# Allegro board LAY-95869_A.brd (continued)
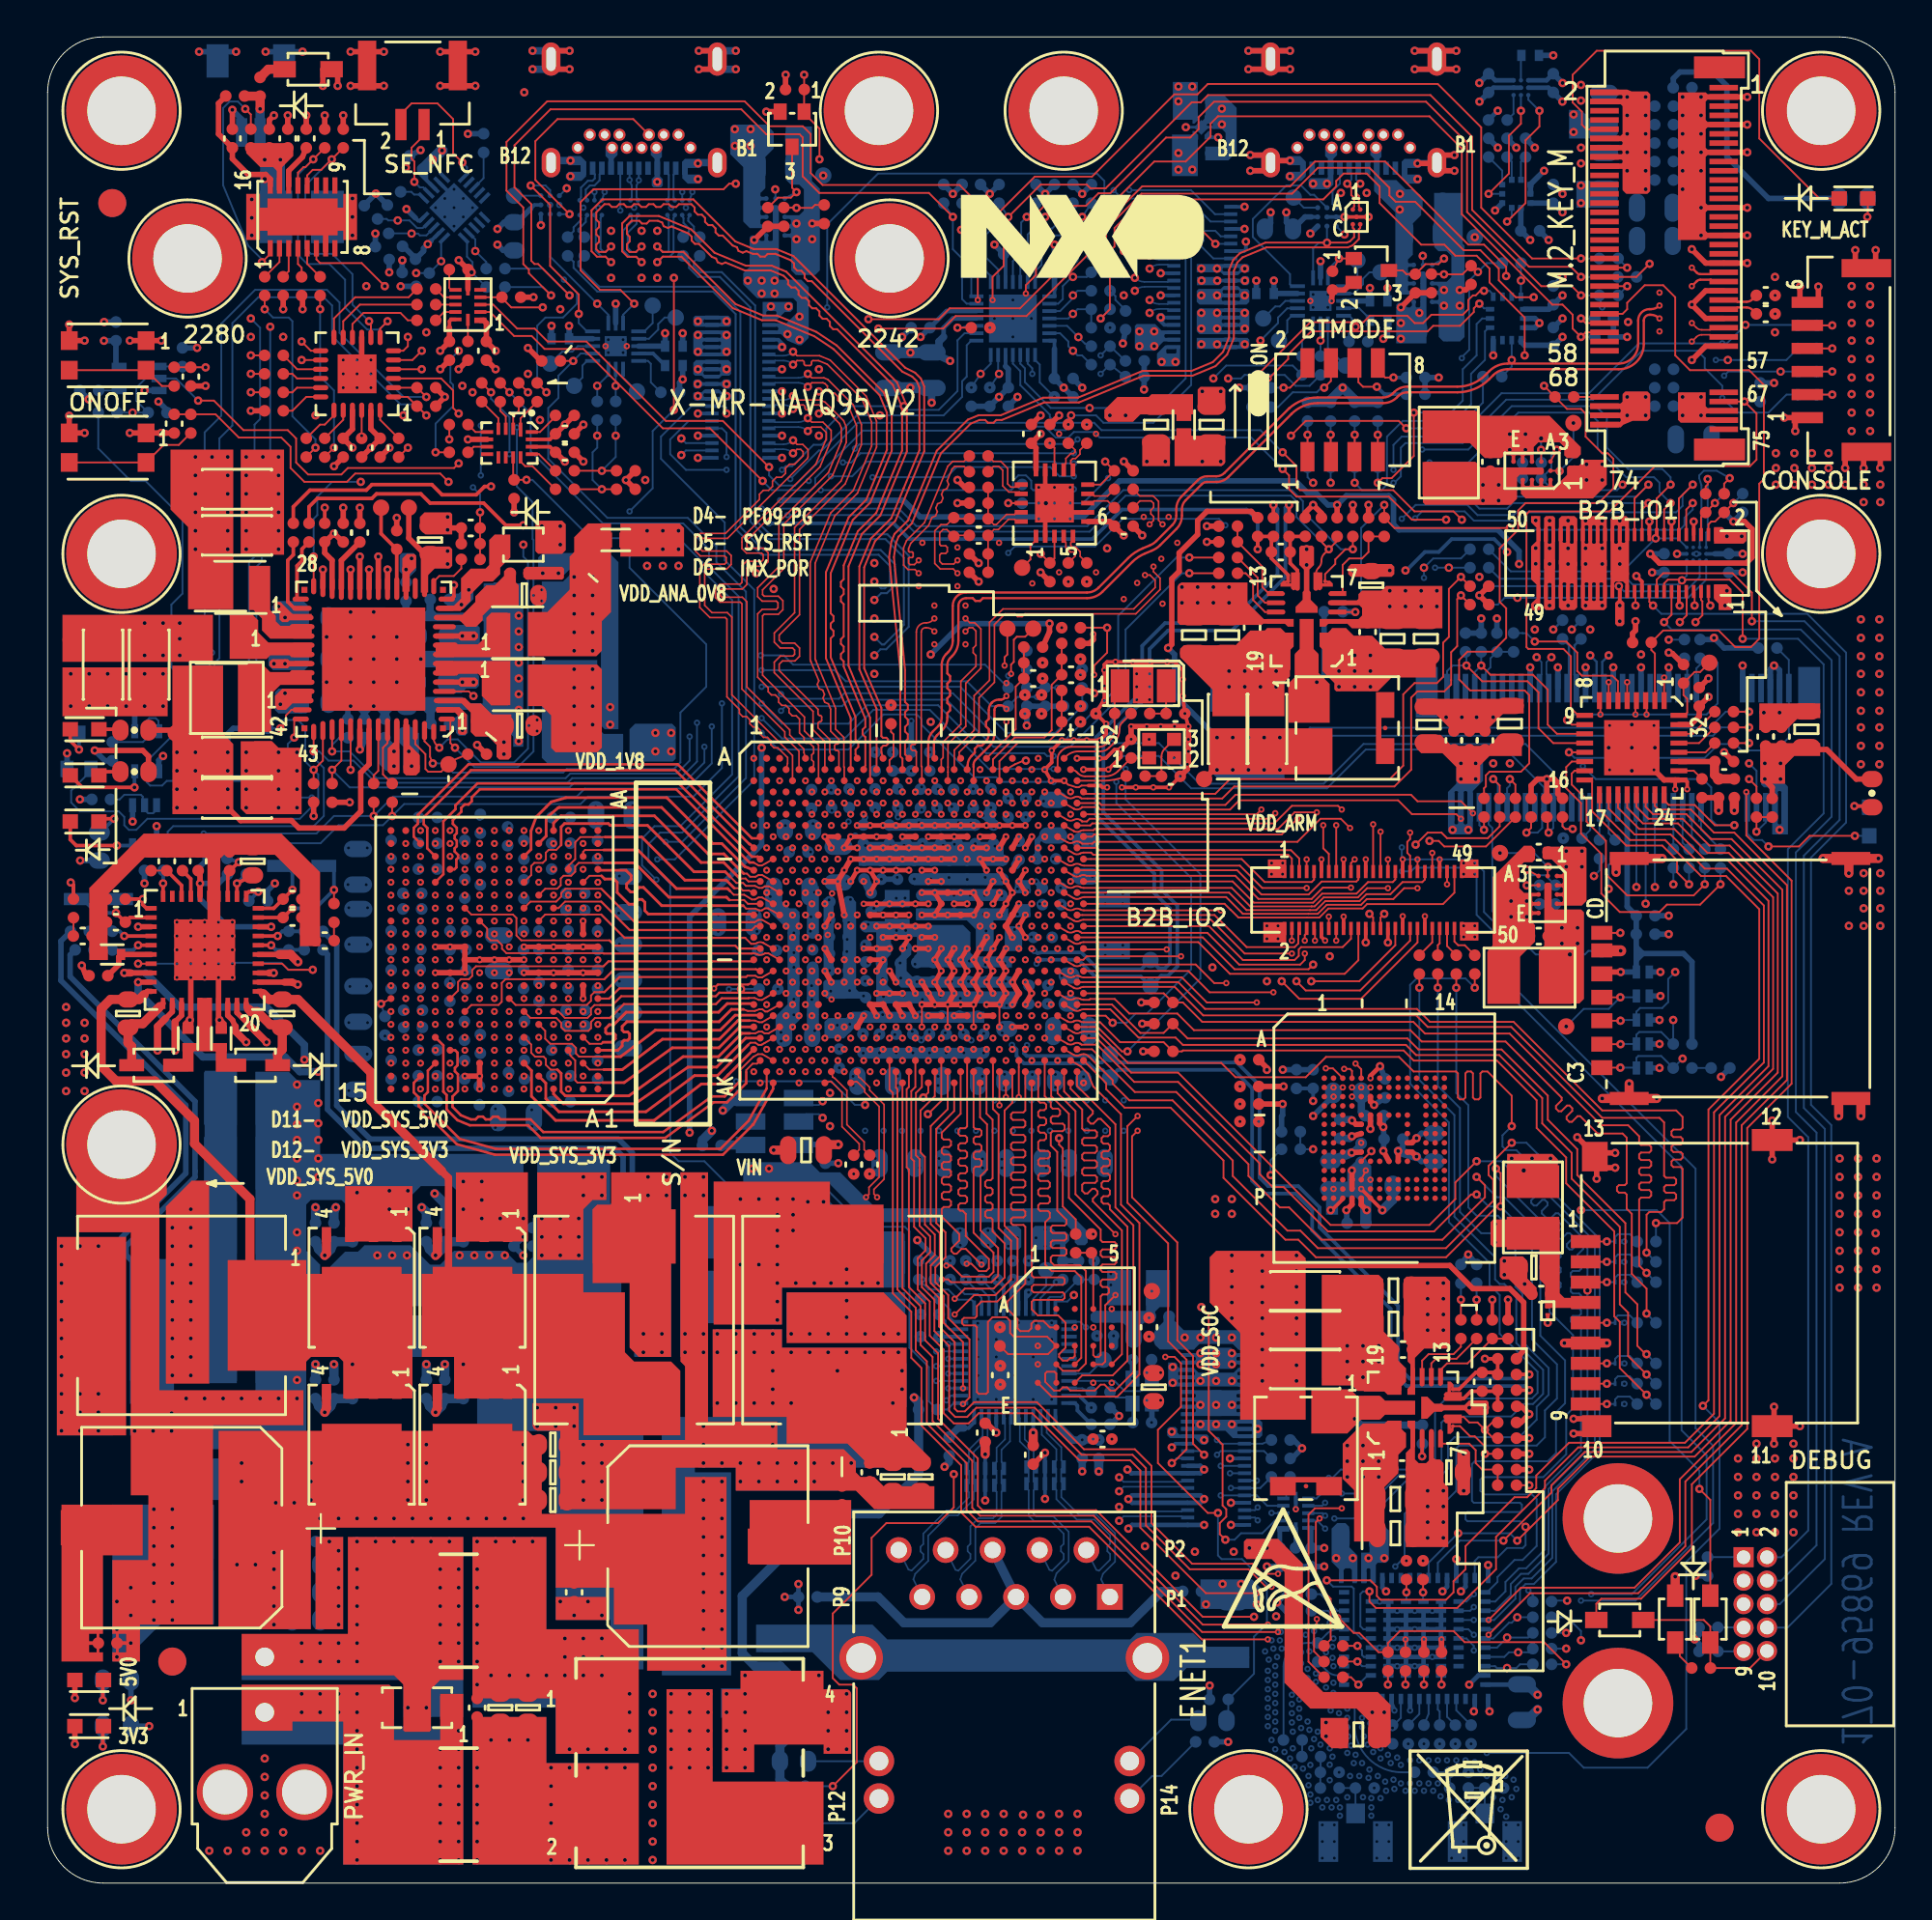
[diagram p0: board, top side]
## Copper pours and planes (outline as drawn; the poured copper is in the pictures) (continued)
N20196509 on L8_IN2 (solid shape): 57.8,33.05 57.8,32.35 57.65,32.2 55.4,32.2 55,31.8 53,31.8 52.9,31.9 52.9,32.15 53,32.25 54.7,32.25 55.65,33.2 57.65,33.2
N20196513 on BOTTOM (solid shape): 60.75,31.2 60.2,31.2 59.95,30.95 59.95,30.45 59.85,30.35 59.35,30.35 59.2,30.2 59.2,29.4 58.35,29.4 58.35,30.2 58.2,30.35 56.6,30.35 56.45,30.5 56.45,30.8 56.65,31 59.45,31 59.45,32.55 60.75,32.55
N20554879 on TOP (solid shape): 25.35,71.05 25.35,70.45 25.5,70.3 25.5,69.15 24.05,69.15 23.55,68.65 23.55,68.4 23.2,68.05 22.65,68.05 22.3,68.4 21.05,68.4 21.05,68.7 22.45,68.7 23.15,69.4 23.15,69.7 23.75,70.3 24.2,70.3 24.7,70.8 24.7,71.05 24.85,71.2 25.2,71.2
N20554950 on TOP (solid shape): 25.05,71.8 24.5,71.25 24.5,70.9 24.1,70.5 23.6,70.5 22.9,69.8 22.9,69.45 22.35,68.9 21.15,68.9 21.15,69.2 22,69.2 22.38,69.58 22.38,70.67 22.9,71.2 23.7,71.2 23.9,71.4 23.9,72.75 24.2,73.05 25.05,73.05
N20554950 on BOTTOM (solid shape): 23.05,70.15 23.05,69.55 22.5,69 21.85,69 21.5,69.35 21.5,69.65 21.7,69.85 22.25,69.85 22.7,70.3 22.9,70.3
N20556128 on TOP (solid shape): 12.05,65.6 13.1,65.6 13.2,65.7 14.3,65.7 14.3,64.9 12.6,64.9 12.1,64.4 12.1,62.35 10.3,62.35 10.3,66.1 11.55,66.1
N20556214 on TOP (solid shape): 25.05,66.4 21,66.4 21,67.2 22.1,67.2 22.2,67.1 23.3,67.1 23.75,67.55 23.75,68.55 24,68.8 25.05,68.8
N20556266 on TOP (solid shape): 25.05,63.8 24,63.8 23.5,64.3 23.5,65.3 23.3,65.5 22.25,65.5 22.15,65.4 21,65.4 21,66.2 25.05,66.2
N20556348 on TOP (solid shape): 12.05,68.95 12.35,68.65 12.35,68.35 12.6,68.1 13.1,68.1 13.2,68.2 14.3,68.2 14.3,67.4 12.05,67.4 11.6,67.85 11.6,68.5 11.15,68.95 10.9,68.95 10.9,71.35 12.05,71.35
N20556417 on TOP (solid shape): 11.4,68.4 11.4,67.75 11.95,67.2 14.3,67.2 14.3,66.4 13.2,66.4 13.1,66.5 12.05,66.5 11.85,66.3 9.85,66.3 9.85,68.75 11.05,68.75
N20938200 on TOP (solid shape): 5.15,17.75 3,17.75 3,13.5 2.8,13.5 2.8,13.15 2.65,13.15 2.65,13.5 2.25,13.5 2.25,13.1 2.8,13.1 2.8,12.9 2.25,12.9 2.25,12.5 2.65,12.5 2.65,12.85 2.8,12.85 2.8,12.5 3,12.5 3,12 0.75,12 0.75,20.5 5.15,20.5
N20938254 on TOP (solid shape): 43.5,17.25 38,17.25 38,20.75 43.5,20.75
N20938619 on TOP (solid shape): 29,32 31.25,32 31.25,28.75 31.75,28.25 33.75,28.25 34.25,27.75 34.25,24.25 29,24.25 29,26.25 22,26.25 22,28.5 20.25,28.5 20.25,33 29,33
N20938665 on TOP (solid shape): 14,33 19.75,33 19.75,26.25 16,26.25 16,28.25 15.75,28.5 14.25,28.5 14,28.25 14,27.75 9.75,27.75 9.75,33.75 14,33.75
N20938813 on TOP (solid shape): 33.75,28.5 32,28.5 31.5,29 31.5,32.5 29.5,32.5 29.5,36.5 29.75,36.75 30.5,36.75 30.5,38.5 33.75,38.5
N20938813 on BOTTOM (solid shape): 33.75,28.5 31.75,28.5 31.75,36.8 32.25,36.8 32.25,38.5 33.75,38.5
N20938851 on TOP (solid shape): 4.25,24.25 0.5,24.25 0.5,35 4.25,35
N20938851 on BOTTOM (solid shape): 3,33.8 3.55,33.8 3.55,24.25 0.5,24.25 0.5,34.8 3,34.8
N22196802 on TOP (solid shape): 13.3,94.05 13.3,93.55 12.7,92.95 12.7,91.7 12.4,91.7 12.4,92.75 12.2,92.95 11.5,92.95 10.75,93.7 10.75,94.1 10.9,94.25 13.1,94.25
N22196802 on BOTTOM (solid shape): 12.85,93.5 12.85,89.75 11.5,89.75 11.5,93.5 11.65,93.65 12.7,93.65
N22338334 on TOP (solid shape): 62,79.55 59.15,79.55 58.75,79.15 57.4,79.15 57.2,79.35 57.2,79.8 57.9,80.5 59.6,80.5 59.75,80.65 62,80.65
N22338334 on L6_POWER2: 53.4,78.6 53.4,76.3 57.1,72.6 58.45,72.6 58.85,73 58.85,74.25 57.4,75.7 57.4,77.6 58.75,78.95 58.75,79.6 58.45,79.9 56.8,79.9 55.85,78.95 53.75,78.95

Small or netless copper shapes (teardrops, artwork), in the pictures only: 6 on TOP, 15 on BOTTOM, 1 on L7_GND3

## Text on the board
BOTTOM: 13 | L10_SS | 170-95869 REV A
Board Geometry/Soldermask Bottom: 14 | SECONDARY SOLDERMASK
Ref Des/Silkscreen Bottom: 17 | A | 15 | SECONDARY SILKSCREEN
User.Comments: 1 OF 1 | TEST PROBE | 1/1 | 1
TOP: 04 | L1_PS
Board Geometry/Soldermask Top: 03 | PRIMARY SOLDERMASK
Ref Des/Silkscreen Top: D11- | D12- | VDD_SYS_5V0 | VDD_SYS_3V3 | VDD_1V8 | VDD_ANA_0V8 | D4- | D5- | D6- | VIN | VDD_ARM | VDD_SOC | X-MR-NAVQ95_V2 | 02 | PRIMARY SILKSCREEN
L2_GND1: 05 | L2_GND_1
L3_IN1: 06 | L3_INT_1
L4_GND2: 07 | L4_INT_2
L5_POWER1: 08 | L5_PWR_1
L6_POWER2: 09 | L6_PWR_2
L7_GND3: 10 | L7_INT_3
L8_IN2: 11 | L8_INT_4
L9_GND4: 12 | L9_GND_2
XSECTION_CHART: *  SURFACE - AIR 0 MM | *  DIELECTRIC - LPI 0.01524 MM | L1 TOP CONDUCTOR - 1/2OZ_COPPER 0.0381 MM | *  DIELECTRIC - TU-872SLK_LK_SP 0.06096 MM | L2 L2_GND1 PLANE - 1OZ_COPPER 0.03048 MM | *  DIELECTRIC - TU-872SLK_LK_SP 0.12192 MM | L3 L3_IN1 CONDUCTOR - 1OZ_COPPER 0.03048 MM | *  DIELECTRIC - TU-872SLK_LK_SP 0.10922 MM | L4 L4_GND2 PLANE - 1OZ_COPPER 0.03048 MM | *  DIELECTRIC - TU-872SLK_LK_SP 0.1524 MM | L5 L5_POWER1 PLANE - 1OZ_COPPER 0.03048 MM | *  DIELECTRIC - TU-872SLK_LK_SP 0.381 MM | L6 L6_POWER2 PLANE - 1OZ_COPPER 0.03048 MM | L7 L7_GND3 PLANE - 1OZ_COPPER 0.03048 MM | L8 L8_IN2 CONDUCTOR - 1OZ_COPPER 0.03048 MM | L9 L9_GND4 PLANE - 1OZ_COPPER 0.03048 MM | L10 BOTTOM CONDUCTOR - 1/2OZ_COPPER 0.0381 MM | DESIGN CROSS SECTION CHART | ___________________________ | TOTAL THICKNESS 1.62052 MM | 1-10 | 1-4 | 1-3 | 1-2 | 2-4 | 3-4 | 4-7 | 7-9 | 7-10 | 7-8 | 8-10 | 9-10
DIMENSION: LAYERS | L1_PS | L3_IN1 | L8_IN2 | L10_SS | TRACE WIDTH | 0.1016 | IMPEDANCE | 50.0000 | 0.1524 | 0.1473 | 40.0000 | 0.1194 | 0.1219 | 45.0000 | SE | 0.1000 | N/A | COPLANAR WAVEGUIDE. | LAYER 10 EDGE TO SHAPE SPACING=0.178mm. | REFERENCE TO LAYER 9. | 0.1397 | TRACE SPACING | 0.1778 | 80.0000 | 0.1067 | 0.1143 | 0.2032 | 90.0000 | 0.0889 | 0.0914 | DIFF | 100.0000 | REFERENCE LAYER | 2,4 | 7,9 | 2 | 9 | SCALE: NONE | BOARD THICKNESS TOLERANCE +/-10% | ALL VALUES ARE FINISHED VALUES | 21. THIEVING REQUIREMENT: | 23. THIS BOARD USES MICROVIAS. MICROVIAS SHOULD BE COPPER FILLED AND PLANAR TO THE SURFACE. | 6. MINIMUM CONDUCTIVE WIDTH/SPACING TO BE .004"/.004" | 7. PLATING FINISH: A. BOTH SIDES ENIG: TO MEET THE REQUIREMENTS OF IPC-4552 (LATEST REVISION). | 1. THIS DRAWING SPECIFIES THE REQUIREMENTS FOR A PRINTED WIRING BOARD IN ACCORDANCE. | WITH SPECIFICATION IPC-6012 CLASS 2 (LATEST REVISION). | 2. THE PWB MUST BE LEAD FREE ASSEMBLY PROCESS COMPATIBLE AND MUST BE ABLE TO HANDLE | A MINIMUM OF 5 CYCLES AT 260 DEGREES CELSIUS FOR 10 SECONDS. | 3. BASE MATERIAL - LAMINATE AND PREPREG SHALL MEET IPC-4101D-26, 83 or 98 | 4. COPPER FOIL WEIGHT - SEE STACKUP DETAIL 'A' | 5. CHARACTERISTIC IMPEDANCE - SEE DETAIL 'B' | 8. FAB VENDOR IS NOT ALLOWED TO USE ODB FOR FABRICATION. CAN BE USED ONLY FOR REFERENCE. | 9. SOLDERMASK - TO MEET THE REQUIREMENTS OF IPC-SM-840E (OR LATEST REVISION). | GREEN COLOR, BOTH SIDES. MODIFICATION OF SOLDERMASK IS NOT ALLOWED WITHOUT WRITTEN PERMISSION FROM NXP. | 10. SILKSCREEN - WHITE EPOXY OR ACRYLIC INK, BOTH SIDES. NO SILKSCREEN ON ANY EXPOSED COPPER FEATURE. | 11. ELECTRICAL TEST - 100% IPCD356. PCB FABRICATOR TO PERFORM A NET COMPARE AGAINST THE IPCD356 NETLIST PROVIDED BY NXP. | 12. PRINTED WIRING BOARD IS TO BE INDIVIDUALLY BAGGED. | 16. SUPPLIER MARKINGS - ON SECONDARY SIDE ONLY, WHERE SHOWN. | 13. DFM CHECK MUST BE RUN ON BOARD DATA BEFORE BUILDING BOARDS, | 17. THE PWB WILL BE MARKED AS LEAD FREE BY USE OF AN INK STAMP Pb | UNLESS PRIOR APPROVAL IS GIVEN IN WRITING BY NXP. | 14. TEARDROPS MAY BE ADDED AT THE FAB HOUSE TO ALL SIGNAL LAYERS. | 18. THE PWB WILL BE MARKED AS LEAD FREE PROCESS COMPATIBLE BY USE OF AN INK STAMP 260 C | 15. TWO SOLDER SAMPLES TO BE PROVIDED. | 20. FINISHED PCB MUST BE PANELIZED FOR ASSEMBLY ACCORDING TO CONTRACT MANUFACTURERS REQUIREMENTS. | THE ADDITION OF RAILS AND .125" NON-PLATED TOOLING HOLES ARE AT THE DISCRETION OF | CONTRACT MANUFACTURER. PANELIZATION MUST BE APPROVED BY CONTRACT MANUFACTURER. | A. THE MANUFACTURE HAS THE OPTION TO ADD COPPER THIEVING ON OUTER AND INNER LAYERS, | KEEP A MINIMUM DISTANCE OF .100" FROM ANY BOARD FEATURES. | TYPE: LPI OR EQUIVALENT. | Tg - MUST BE GREATER THAN OR EQUAL TO 150 DEGREES CELSIUS. | Td - MUST BE GREATER THAN OR EQUAL TO 330 DEGREES CELSIUS. | - MUST BE UL RECOGNIZED AND MUST HAVE AN ID THAT CONFORMS TO UL94V-0 | A. LOCATION = +/-.002" OF PLATED PADS. | B. DIAMETER OR SIZE = +/-.002 OF ORIGINAL DATA | UNLESS OTHERWISE SPECIFIED. | 19. ALL PLATED AND NON-PLATED THROUGH HOLES ARE TO BE DRILLED AT PRIMARY DRILL STEP. | ALL HOLE LOCATION TOLERANCES ARE TO BE +/-.002 IN REFERENCE TO THE PRIMARY DATUM | PRIMARY DATUM | GRID ORIGIN | 19 | 16 | 23 | DETAIL | LAYER STACKUP | IMPEDANCE REQUIREMENTS | IMPEDANCE TOLERANCE IS 10% | OK TO IGNORE IMPEDANCES THAT ARE NOT PRESENT IN THE GERBER DATA | A | B
PASTEMASK_TOP: 01 | PRIMARY PASTEMASK
User.5: 16 | SECONDARY PASTEMASK
User.12: 1 | 2 | 49 | 50
User.18: OF 16
User.21: 22. THIS FAB_VIAFILL.ART SHOWS LOCATIONS OF VIA-IN-PAD TO BE FILLED. | 1/1 | 2 | 3 | FAB SUPPLIER: DISREGARD THIS PAGE IF VIA-IN-PAD DOESN'T APPLY OR NOT REQUIRED ON FAB.ART | CAD DESIGNER: DELETE THIS FAB PAGE IF VIAL FILL IS NOT USED ON THIS DESIGN
User.22: 3
User.25: FIGURE | FINISHED_SIZE | 0.2032 | 0.4064 | 0.7366 | 0.889 | 1.016 | 1.6002 | 2.413 | 3.7084 | 0.6604 | 0.762 | 0.9906 | 1.0922 | 3.175 | 3.2512 | 1.1176x0.508 | 1.2954x0.508 | DRILL CHART: TOP to BOTTOM | ALL UNITS ARE IN MILLIMETERS | TOLERANCE_DRILL | +0.0/-0.2032 | +0.0508/-0.0508 | +0.0762/-0.0762 | +0.0254/-0.0508 | PLATED | NON-PLATED | QTY | 2024 | 24 | 10 | 2 | 4 | 14 | 2116 | TOTAL HOLES:
User.28: FIGURE | FINISHED_SIZE | 0.15 | DRILL CHART: L9_GND4 to BOTTOM | ALL UNITS ARE IN MILLIMETERS | TOLERANCE_DRILL | +0.0/-0.15 | PLATED | QTY | 203 | TOTAL HOLES:
User.29: FIGURE | FINISHED_SIZE | 0.15 | DRILL CHART: L7_GND3 to L9_GND4 | ALL UNITS ARE IN MILLIMETERS | TOLERANCE_DRILL | +0.0/-0.15 | PLATED | QTY | 182 | TOTAL HOLES:
User.30: FIGURE | FINISHED_SIZE | 0.15 | DRILL CHART: L2_GND1 to L4_GND2 | ALL UNITS ARE IN MILLIMETERS | TOLERANCE_DRILL | +0.0/-0.15 | PLATED | QTY | 256 | TOTAL HOLES:
User.31: FIGURE | FINISHED_SIZE | 0.2 | DRILL CHART: L4_GND2 to L7_GND3 | ALL UNITS ARE IN MILLIMETERS | TOLERANCE_DRILL | +0.0/-0.2 | PLATED | QTY | 774 | TOTAL HOLES:
User.32: FIGURE | FINISHED_SIZE | 0.15 | DRILL CHART: L7_GND3 to BOTTOM | ALL UNITS ARE IN MILLIMETERS | TOLERANCE_DRILL | +0.0/-0.15 | PLATED | QTY | 582 | TOTAL HOLES:
User.33: FIGURE | FINISHED_SIZE | 0.15 | DRILL CHART: L8_IN2 to BOTTOM | ALL UNITS ARE IN MILLIMETERS | TOLERANCE_DRILL | +0.0/-0.15 | PLATED | QTY | 137 | TOTAL HOLES:
User.34: FIGURE | FINISHED_SIZE | 0.15 | DRILL CHART: L3_IN1 to L4_GND2 | ALL UNITS ARE IN MILLIMETERS | TOLERANCE_DRILL | +0.0/-0.15 | PLATED | QTY | 69 | TOTAL HOLES:
User.35: FIGURE | FINISHED_SIZE | 0.15 | DRILL CHART: L7_GND3 to L8_IN2 | ALL UNITS ARE IN MILLIMETERS | TOLERANCE_DRILL | +0.0/-0.15 | PLATED | QTY | 63 | TOTAL HOLES:
User.36: FIGURE | FINISHED_SIZE | 0.15 | DRILL CHART: TOP to L4_GND2 | ALL UNITS ARE IN MILLIMETERS | TOLERANCE_DRILL | +0.0/-0.15 | PLATED | QTY | 621 | TOTAL HOLES:
User.37: FIGURE | FINISHED_SIZE | 0.15 | DRILL CHART: TOP to L3_IN1 | ALL UNITS ARE IN MILLIMETERS | TOLERANCE_DRILL | +0.0/-0.15 | PLATED | QTY | 283 | TOTAL HOLES:
User.38: FIGURE | FINISHED_SIZE | 0.15 | DRILL CHART: TOP to L2_GND1 | ALL UNITS ARE IN MILLIMETERS | TOLERANCE_DRILL | +0.0/-0.15 | PLATED | QTY | 176 | TOTAL HOLES:
